# Altium PCB 自锁降压模块.PcbDoc
Units mil, origin at the board's own origin, x right, y up, seen from the top; angles counter-clockwise.
Board outline 1210 x 1210 mil, 2 copper layers (Top Layer, Bottom Layer); 23 components, 15 nets, 59 pads, 13 vias.
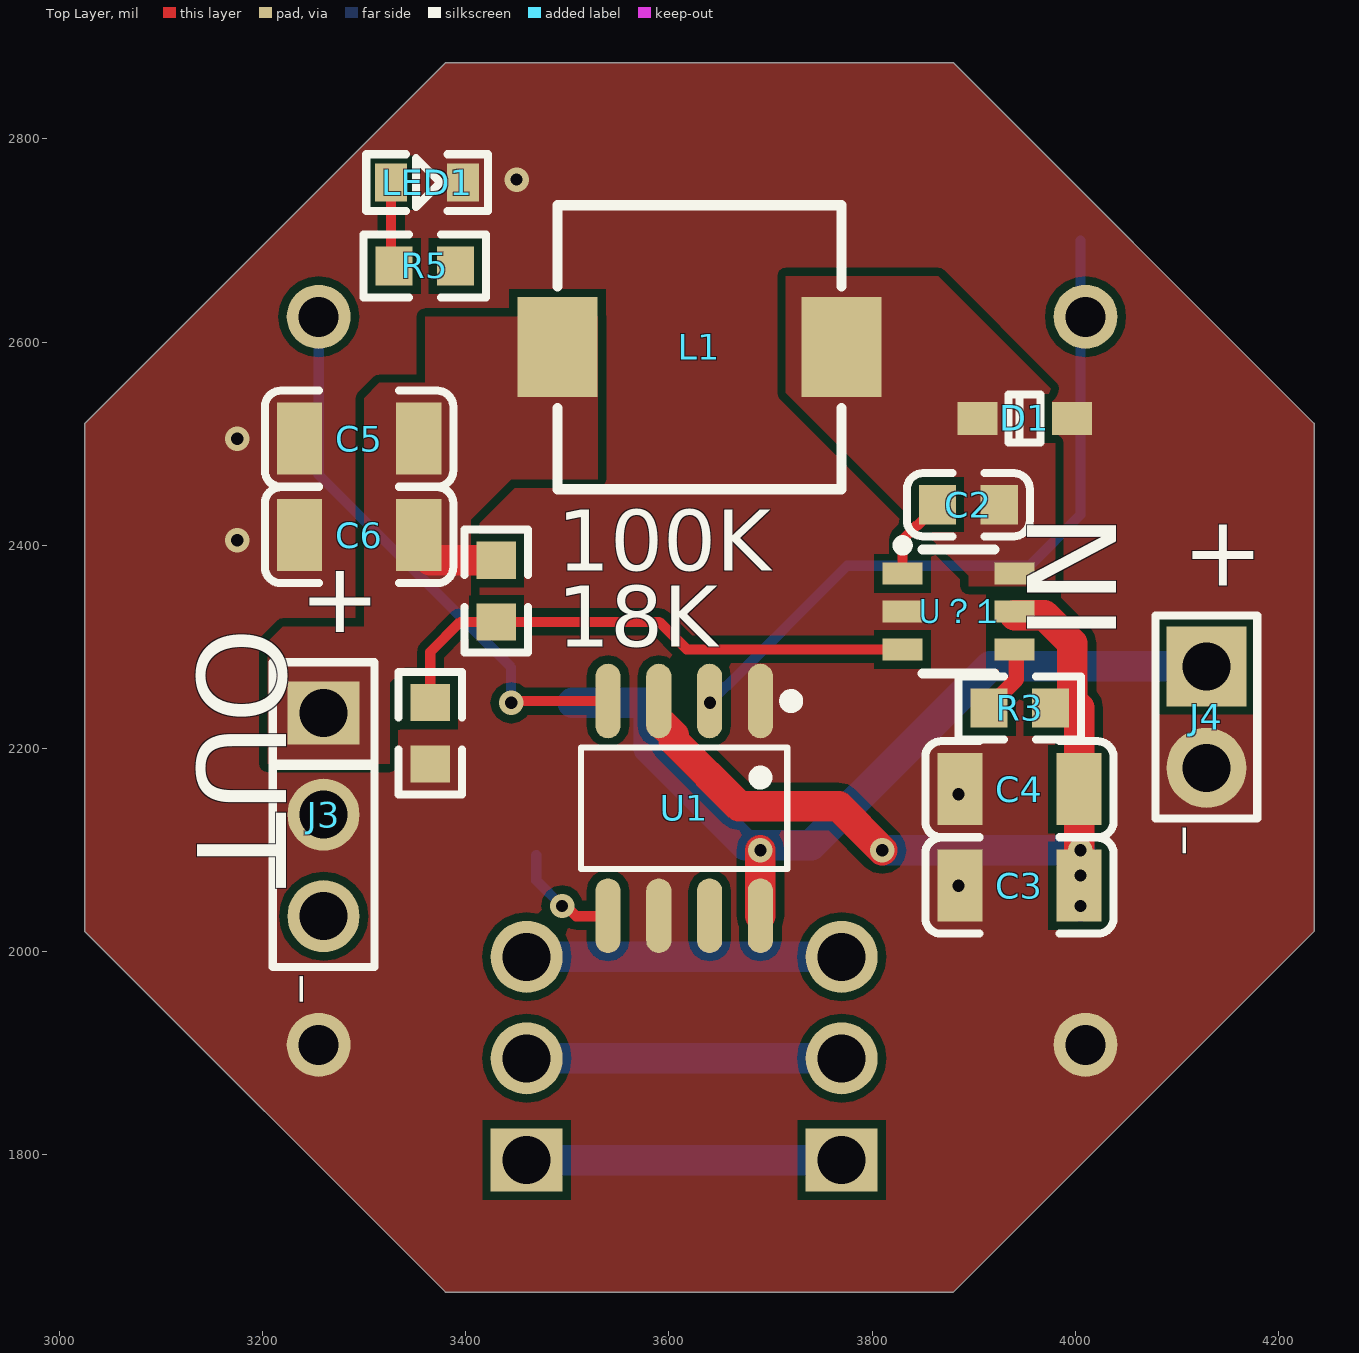
[diagram p0: Top Layer view]
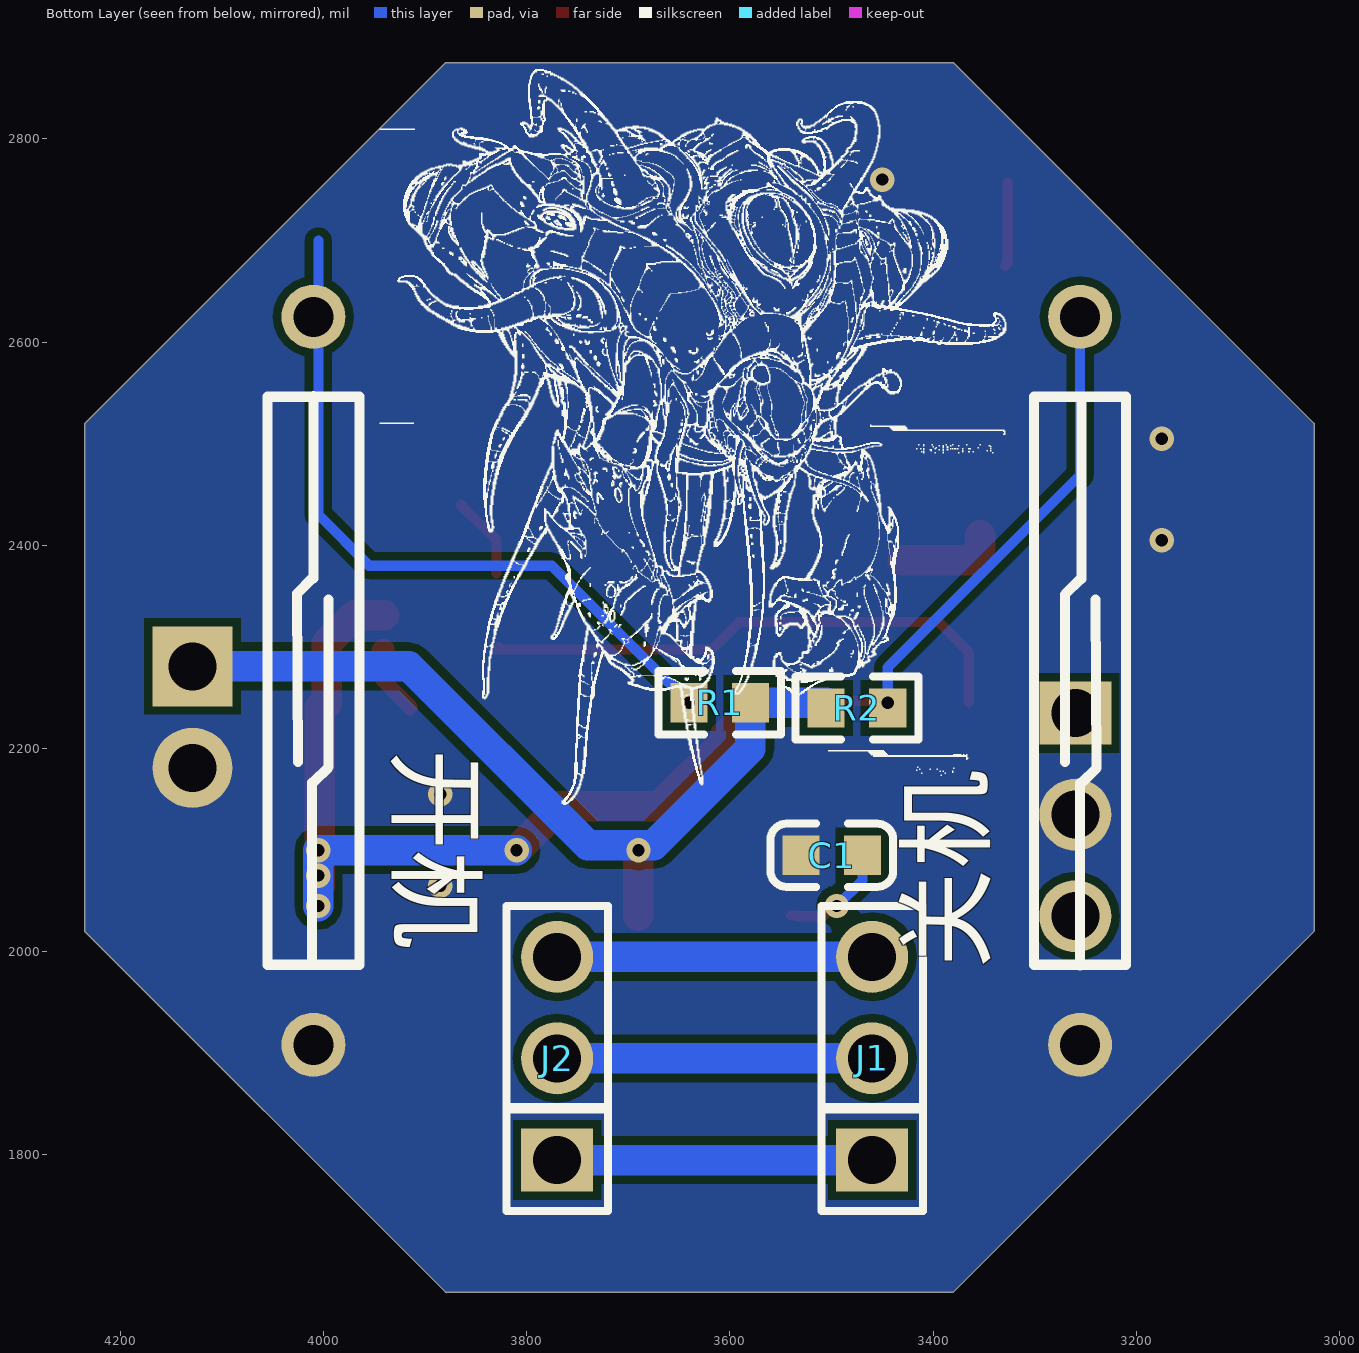
[diagram p1: Bottom Layer view, seen from below]
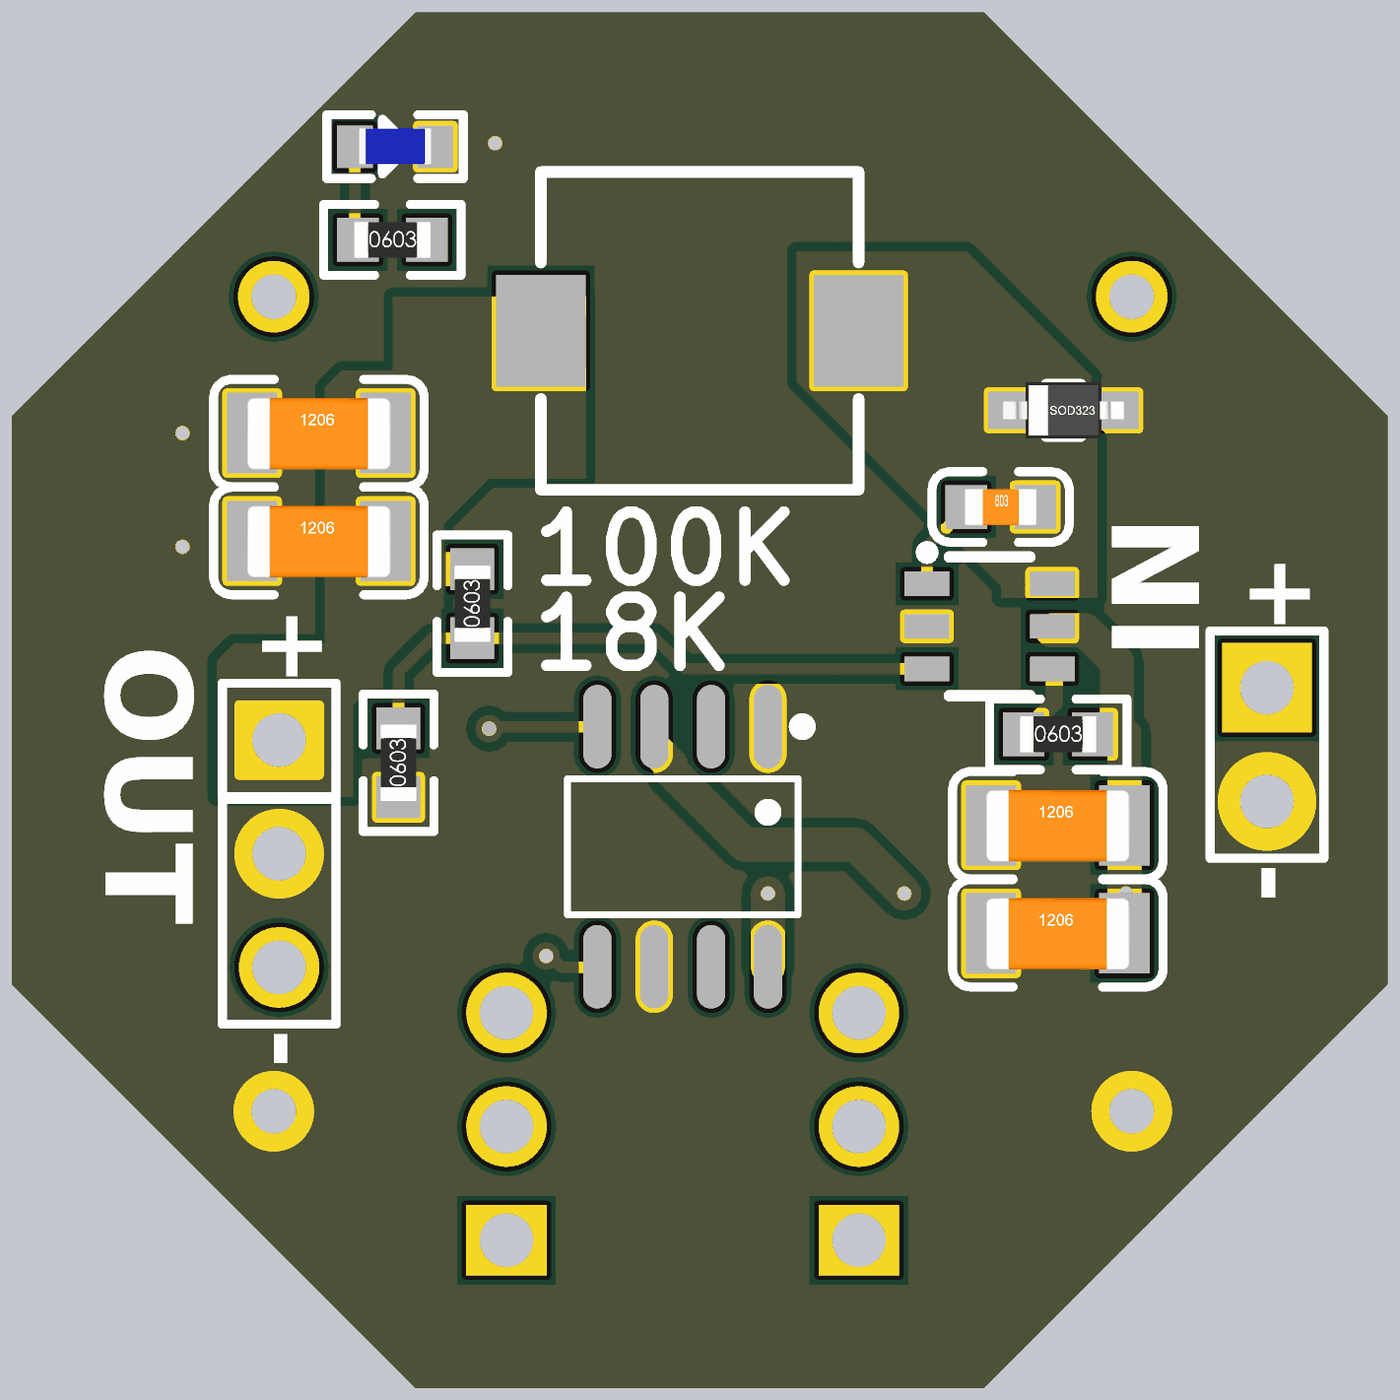
[diagram p2: 3D render of the assembled board from above, using the file's embedded part models]

## Layer stack, top to bottom
Top Solder: solder mask 0.4, Solder Resist, Dk 3.5
Top Layer: signal copper 1.4
Dielectric 1: dielectric 12.6, FR-4, Dk 4.8
Bottom Layer: signal copper 1.4
Bottom Solder: solder mask 0.4, Solder Resist, Dk 3.5

## Board outline
3025,2020 3025,2520 3380,2875 3880,2875 4235,2520 4235,2020 3880,1665 3380,1665

## Design rules (kind name [scope] priority, off if disabled: settings)
Clearance [All] p1: gap=8 ignorepadtopadclearanceinfootprint=FALSE
PolygonConnect [All] p1: connectstyle=Direct reliefconductorwidth=10 reliefentries=4 polygonreliefangle="90 Angle" airgapwidth=10
RoutingVias [All] p1: holewidth=28 width=50 viastyle="Through Hole" minholewidth=28 minwidth=50 maxholewidth=28 maxwidth=50
SolderMaskExpansion [All] p1: expansion=4 istentingtop=FALSE
Width [All] p1: maxlimit=100 minlimit=10 preferedwidth=10
30 further rules are at their usual default settings.

## Components (designator, comment, footprint, x,y, rotation, side; value= is the part's Value field where it differs from the comment)
18K "18K" 0603_R 3365,2215 r90 top (schematic designator R6)
100K "100K" 0603_R 3430,2355 r90 top (schematic designator R4)
C1 "10nF" 0603_C 3500,2095 r0 bottom
C2 "100nF" 0603_C 3895,2440 r0 top
C3 "?F" 1206_C 3945,2065 r0 top
C4 "?F" 1206_C 3945,2160 r0 top
C5 "?F" 1206_C 3295,2505 r0 top
C6 "?F" 1206_C 3295,2410 r0 top
D1 "稳压二极管" SOD-323 3950,2525 r0 top
J1 "HDR  1x3" "排针排母 3P 2.54mm" 3460,1895 r90 bottom
J2 "HDR  1x3" "排针排母 3P 2.54mm" 3770,1895 r90 bottom
J3 "HDR  1x3" "排针排母 3P 2.54mm" 3260,2135 r270 top
J4 "HDR  1x2" "排针排母 2P 2.54mm" 4130,2230 r270 top
L1 "?H" SMD_7*7*4MM 3630,2595 r180 top
LED1 "LED" LED_0603 3360,2755 r0 top
R1 "10K" 0603_R 3610,2245 r180 bottom
R2 "10K" 0603_R 3475,2240 r0 bottom
R3 "100K" 0603_R 3945.31,2240 r0 top
R5 "10K" 0603_R 3359.68,2675 r0 top
U1 "NE555" SOP8 3615,2160 r270 top
U？1 "LMR16006XDDCR" SOT-23-6 3885,2335 r180 top
关机 "磁性开关" MKA14103 3255.28,2266.73 r90 bottom (schematic designator K2)
开机 "磁性开关" MKA14103 4010,2266.73 r270 bottom (schematic designator K1)

## Footprints (in the part's own frame and the unit in brackets; to place one, negate y for a bottom-side part, rotate by r counter-clockwise, add the part's x,y. Pads: shape width x height; smd on the part's side, far side on the other; paste and mask are expansions set on the pad)
0603_C [mm] "SMD, 0603"
  rect 0.93x0.98 smd: 1(-0.778,0) 2(0.762,0)
  silkscreen extent -1.54,-0.79 1.53,0.79, body extent -0.81,-0.4 0.79,0.4, height 0.3
0603_R [mm] "SMD, 0603"
  rect 0.93x0.98 smd: 1(-0.77,0) 2(0.77,0)
  silkscreen extent -1.53,-0.79 1.54,0.79, body extent -0.85,-0.4 0.85,0.4, height 0.56
1206_C [mm] "SMD, 1206"
  rect 1.13x1.8 smd: 1(-1.49,0) 2(1.49,0)
  silkscreen extent -2.36,-1.2 2.35,1.2, body extent -1.6,-0.81 1.6,0.79, height 1
LED_0603 [mm]
  rect 0.8x0.95 smd: 1(-0.849,0.051) 2(0.951,0.051)
  silkscreen extent -1.47,-0.66 1.57,0.76, body extent -0.75,-0.34 0.85,0.46, height 0.8
MKA14103 [mm] "干簧管，型号MKA14103"
  round 1.6 hole 1: 1(-9.1,0) 2(9.1,0)
  silkscreen extent -7.12,-1.15 7.1,1.15
SMD_7*7*4MM [mm]
  rect 2x2.5 smd: 1(-3.55,0) 2(3.55,0)
  silkscreen extent -3.55,-3.55 3.55,3.55, body extent -3.56,-3.56 3.56,3.56, height 4
SOD-323 [mm]
  rect 1x0.83 smd: 1(1.18,0) 2(-1.18,0)
  silkscreen extent -0.4,-0.6 0.4,0.6, body extent -1.35,-0.62 1.35,0.63, height 1.1
SOP8 [mm] "L4.9-W3.9-P1.27-LS6.0-BL"
  oval 1.865x0.63 smd: 1(-2.204,1.905) 2(-2.204,0.635) 3(-2.204,-0.635) 4(-2.204,-1.905) 5(3.161,-1.905) 6(3.161,-0.635) 7(3.161,0.635) 8(3.161,1.905)
  silkscreen extent -2.35,-2.58 2,2.82
SOT-23-6 [mm]
  rect 1x0.55 smd: 1(1.4,-0.95) 2(1.4,0) 3(1.4,0.95) 4(-1.4,0.95) 5(-1.4,0) 6(-1.4,-0.95)
  silkscreen extent -0.9,-1.78 1.52,1.55
"排针排母 2P 2.54mm" [mm]
  rect 2x2 hole 1.2: 1(-1.295,-0.025)
  round 2 hole 1.2: 2(1.245,-0.025)
  silkscreen extent -2.57,-1.3 2.51,1.24
"排针排母 3P 2.54mm" [mm]
  rect 1.575x1.8 hole 1.2: 1(-2.54,0)
  round 1.8 hole 1.2: 2(0,0) 3(2.54,0)
  silkscreen extent -3.81,-1.27 3.81,1.27

## Part data
18K 100K R1 R2 R3 R5: library part RES, "Resistor"
C1 C2 C3 C4 C5 C6: library part CAP, "Capacitor"
J1 J2 J3 J4: "Connector"
L1: library part Inductor, "Inductor", Code_IEC=1005, Code_JEITA=0402, LatestRevisionDate=17-Jul-2002, LatestRevisionNote="Re-released for DXP Platform.", PackageReference=0402-A, Published=8-Jun-2000, Publisher="Altium Limited"
U1: "NE555（世上最牛逼的芯片）", BOM_JLCPCB Part Class="Extended Part", BOM_Manufacturer=TI, BOM_Manufacturer Part=NE555P, Frequency=100kHz, BOM_Supplier=LCSC, BOM_Supplier Part=C46749, spicePre=U, spiceSymbolName=NE555P
U？1: "DC-DC降压模块", BOM_JLCPCB Part Class="Extended Part", BOM_Manufacturer=TI, BOM_Manufacturer Part=LMR16006XDDCR, BOM_Supplier=LCSC, BOM_Supplier Part=C87080, spicePre=U, spiceSymbolName=LMR16006XDDCR
关机 开机: library part 干簧管, "开关", BOM_JLCPCB Part Class="Extended Part", BOM_Manufacturer=STANDEXMEDER, BOM_Manufacturer Part=KSK-SME560-1015, BOM_Supplier=LCSC, BOM_Supplier Part=C575284, Contributor=LCSC, spicePre=K, spiceSymbolName=KSK-SME560-1015

## Via types
v1: diameter 24, hole 12, Top Layer to Bottom Layer, 13 vias

## Nets (pads, with @x,y where several pads share a name; then routed paths per layer and width w, separated by ;. In a path a pad name is that pad's centre, name@x,y a point inside that pad or via, vN(x,y) a via of type N, cw(c..) or ccw(c..) an arc to the next point about the centre after c; other vN are vias at no path point)
GND: 18K.1 C1.2 C3.1 C4.1 C5.1 C6.1 D1.1 J3.2 J4.2 LED1.2 U1.1 U1.6 U？1.2 关机.1 开机.2
  other v1: 3885,2065 3885,2155 3175,2405 3175,2505 3450,2760
NetC1_1: C1.1 U1.5 | length 110.1
  Top Layer w10: v1(3494.86,2045) 3498.65,2045 3508.65,2035 3533.16,2035 3533.71,2035.55 U1.5
  Bottom Layer w10: C1.1 3469.37,2070.35 3494.72,2045 v1(3494.86,2045)
NetC2_1: C2.1 U？1.1 | length 82.5
  Top Layer w10: U？1.1 3829.88,2405.51 3844.52,2420.15 3845.51,2420.15 3864.37,2439.02 C2.1
NetC2_2: C2.2 D1.2 L1.1 U？1.6
NetJ1_1: J1.1 J2.1 | length 310
  Bottom Layer w30: J1.1 J2.1
NetJ1_2: J1.2 J2.2 | length 310
  Bottom Layer w30: J1.2 J2.2
NetJ1_3: J1.3 J2.3 | length 310
  Bottom Layer w30: J1.3 J2.3
NetK1_1: R1.1 U1.2 开机.1 | length 711.9
  Bottom Layer w10: v1(3640.31,2245) 3640.31,2245.98 3655.31,2260.98 3656.3,2260.98 3775.31,2380 3955,2380 4005,2430 4005,2700
NetK2_2: R2.1 U1.4 关机.2 | length 554.5
  Top Layer w10: v1(3444.69,2245) 3446.45,2246.77 U1.4
  Bottom Layer w10: 关机.2 3255.28,2469.33 3444.69,2279.92 v1(3444.69,2245)
NetLED1_1: LED1.1 R5.1 | length 83.2
  Top Layer w10: LED1.1 3326.57,2677.8 R5.1
NetR3_1: R3.1 U？1.4 | length 71.7
  Top Layer w15: R3.1 3915,2240.98 3941.89,2267.88 U？1.4@3941.89,2297.6
  Top Layer w20: U？1.4 3941.89,2297.6 U？1.4@3942.72,2296.77
NetR4_1: 18K.2 100K.1 U？1.3 | length 541.5
  Top Layer w10: 18K.2 3365,2295 3394.69,2324.69 100K.1 3590.31,2324.69 3617.4,2297.6 U？1.3 U？1.3@3827.48,2300
VCC: J4.1 R1.2 R2.2 U1.8 | length 845.2
  Top Layer w30: U1.8 v1(3690,2100)
  Bottom Layer w30: R2.2@3505.32,2245 R1.2 3579.68,2241.02 3580,2240.71 3580,2200 3675,2105 3740,2105 3916,2281 J4.1
VIN: C3.2 C4.2 R3.2 U1.3 U？1.5 | length 833.5
  Top Layer w30: U1.3@3592.6,2225.06 3604.6,2213.06 3604.6,2207.79 3669.39,2143 3767,2143 v1(3810,2100) ; U？1.5@3940.12,2331.43 3969.33,2331.43 3997.01,2303.75 3997.01,2244.29 4001.3,2240 4003.62,2240 ; C3.2 4003.66,2100 C4.2 4003.66,2240
  Bottom Layer w30: v1(3810,2100) v1(4005,2100) v1(4005,2075) v1(4005,2045)
VOUT: 100K.2 C5.2 C6.2 J3.1 L1.2 R5.2 | length 94.3
  Top Layer w30: C6.2 3353.66,2396.81 3365.16,2385.32 100K.2
pads on no net: J3.3 U1.7

## Polygon pours and split planes (outlines as drawn)
GND on Top Layer "GND_L01_P008" (solid, pour order 8): 3025,2020 3025,2520 3380,2875 3880,2875 4235,2520 4235,2020 3880,1665 3380,1665
NetC2_2 on Top Layer "NONET_L-01_P-001" (solid, pour order 2): 3895,2360 3980,2360 3980,2550 3865,2665 3715,2665 3715,2550 3895,2370
VOUT on Top Layer "NONET_L-01_P-001" (solid, pour order 3): 3205,2185 3325,2185 3325,2265 3340,2280 3405,2280 3405,2425 3445,2465 3530,2465 3530,2625 3360,2625 3360,2560 3315,2560 3300,2545 3300,2320 3220,2320 3205,2305
GND on Bottom Layer "GND_L02_P009" (solid, pour order 9): 3025,2020 3025,2520 3380,2875 3880,2875 4235,2520 4235,2020 3880,1665 3380,1665

## Silkscreen, mask and mechanical layers (free items; w line width, h text height)
Top Overlay:
  text "+" at 4105.11,2337.11 h120
  text "OUT" at 3107.39,2318.86 h150 r270
  text "IN" at 4069,2306 h150 r90
  text "+" at 3236.11,2291.11 h120
  text "-" at 4154.22,2092.11 h120 r90
  text "-" at 3285.22,1946.11 h120 r90
Bottom Overlay:
  drawing of 874 lines, arcs and shapes, not listed
Mechanical 1:
  lines w10: 3025,2020 3380,1665 3630,1665 3880,1665 4235,2020 4235,2270 4235,2520 3880,2875 3630,2875 3380,2875 3025,2520 3025,2270 3025,2020